# Altium PCB 全兼容主控.PCBDOC (part 4 of 9) (continued)
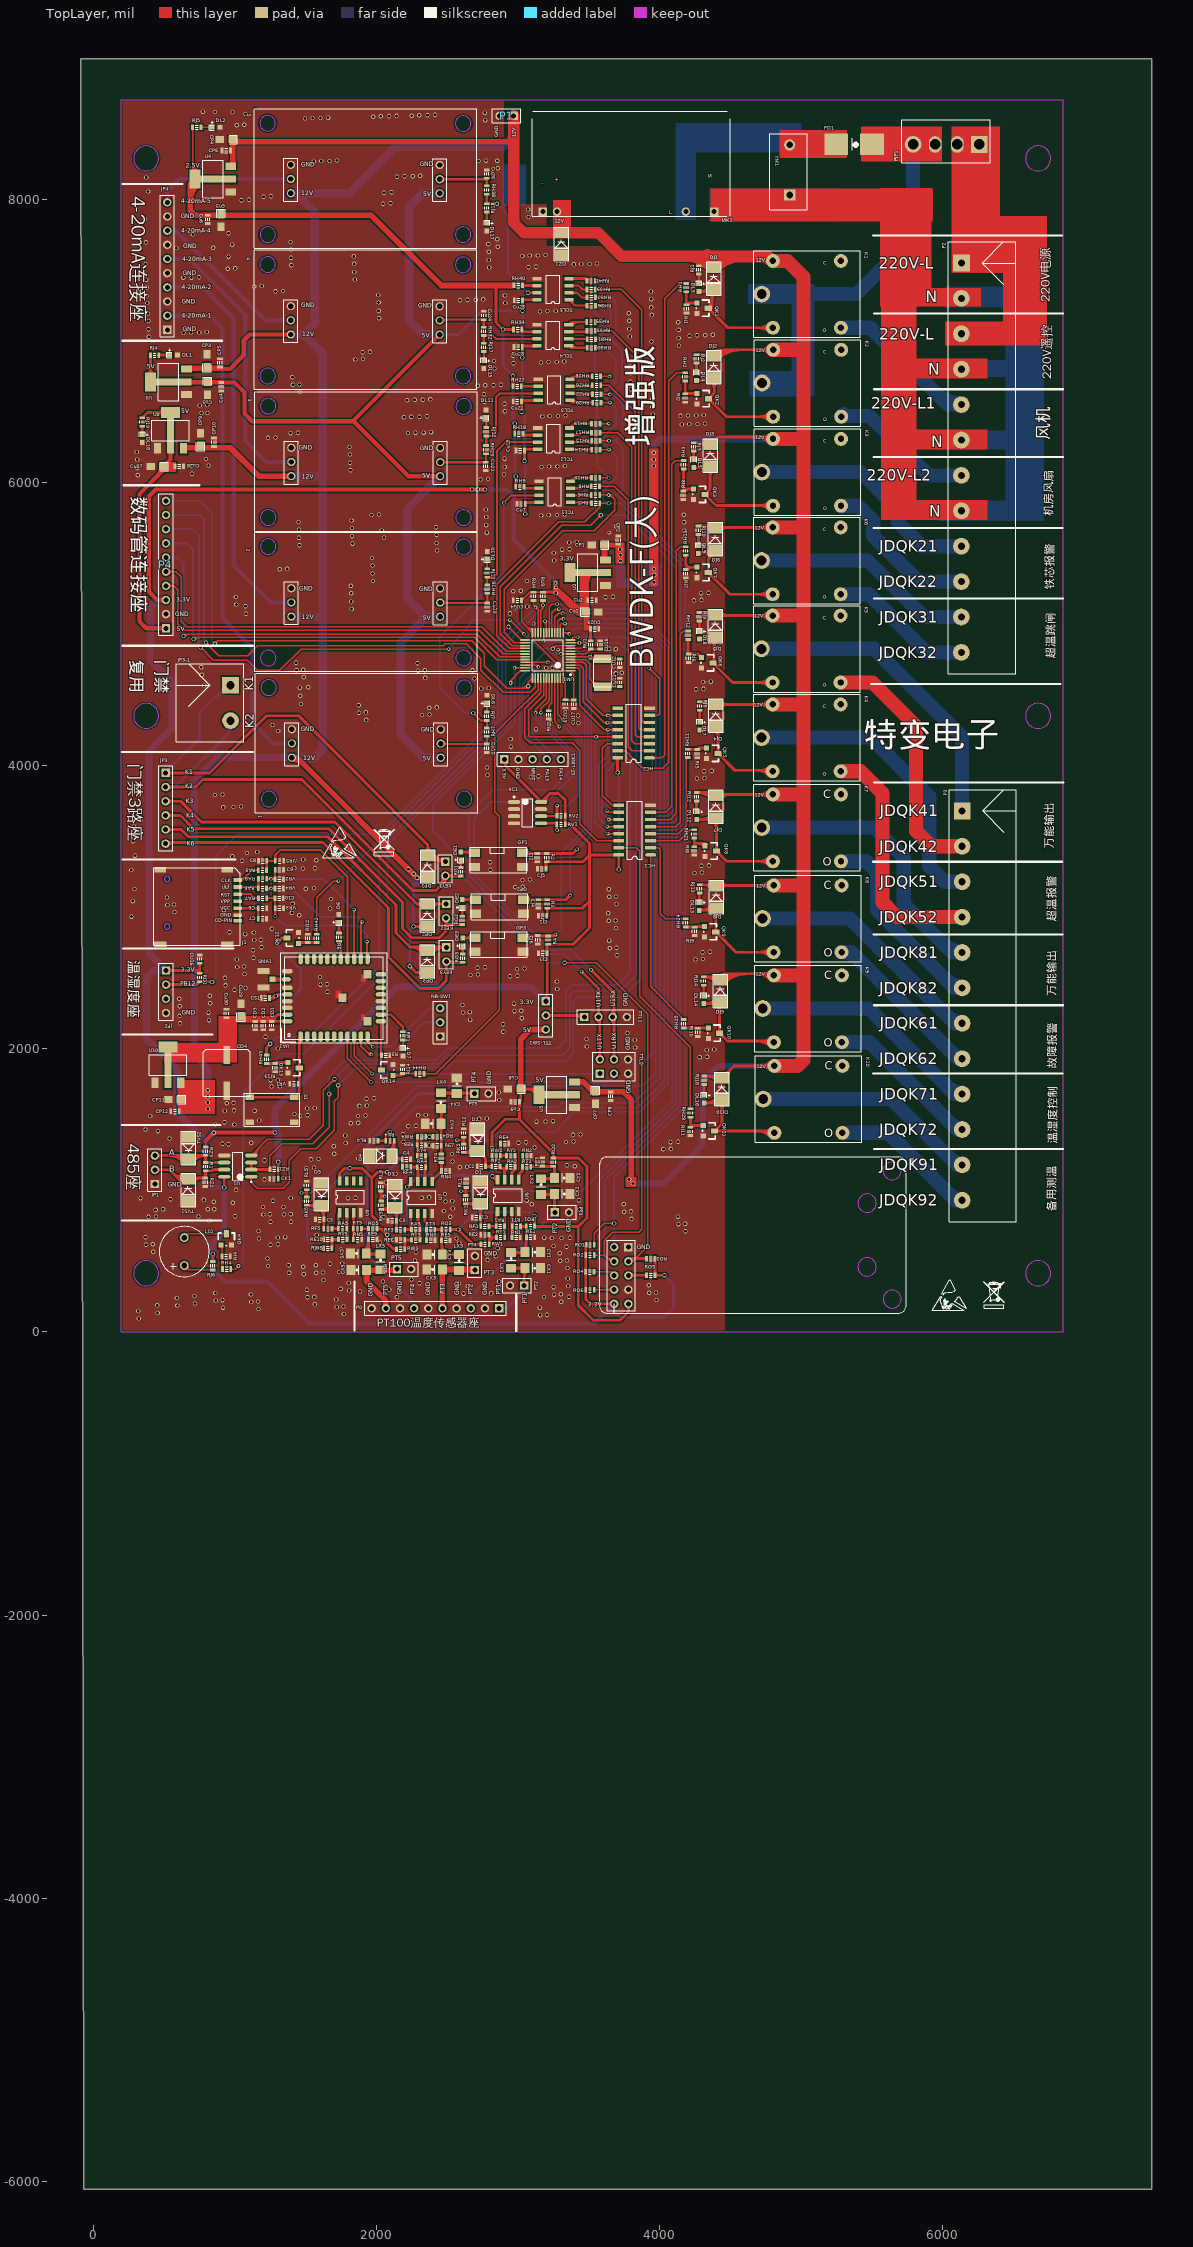
[diagram p0: TopLayer view]
## Nets (pads, with @x,y where several pads share a name; then routed paths per layer and width w, separated by ;. In a path a pad name is that pad's centre, name@x,y a point inside that pad or via, vN(x,y) a via of type N, cw(c..) or ccw(c..) an arc to the next point about the centre after c; other vN are vias at no path point) (continued)
NET-NRST: RO5.2 W1.5 | length 351
  TopLayer w20: W1.5@3779.8,398.06 3780.88,399.15 RO5.2@3908.17,399.15 ; W1.5@3793.61,384.25 cw(c3829.56,348.3) 3829.56,399.14 ; W1.5@3793.61,384.25 cw(c3829.56,348.3) 3829.56,399.14 ; W1.5@3793.61,384.25 cw(c3829.56,348.3) 3829.56,399.14 ; W1.5@3793.61,411.87 ccw(c3824.33,442.59) 3824.33,399.15 ; W1.5@3793.61,411.87 ccw(c3824.33,442.59) 3824.33,399.15 ; W1.5@3793.61,411.87 ccw(c3824.33,442.59) 3824.33,399.15
NET-SCLK: RH6.1 RH15.1 RH22.1 RH31.1 RH37.1 RO1.1 UM1.26 W1.2 | length 11951.1
  TopLayer w10: UM1.26@3050.27,4866.47 2975.26,4866.47 2902.34,4939.39 2902.34,5243.04 3317.87,5658.57 3540.14,5658.57 3684.08,5802.51 3684.08,5879.82 3653.45,5910.44 ; RO1.1@3538.73,615.4 3538.73,695.06 3609.45,765.78 v1(3680.22,765.79) ; RH37.1@3546.55,7305.96 v2(3610.08,7305.96) ; RH31.1@3547.63,7009.73 v2(3611.16,7009.73) ; RH6.1@3577.01,5910.44 3653.45,5910.44 ; RH15.1@3579.42,6293.89 v2(3642.95,6293.89) ; RH22.1@3585.78,6621.43 v2(3649.3,6621.43) ; RO1.1@3535.31,628.66 ccw(c3527.04,636.93) 3538.73,636.93 ; RO1.1@3535.31,628.66 ccw(c3527.04,636.93) 3538.73,636.93 ; RO1.1@3535.31,628.66 ccw(c3527.04,636.93) 3538.73,636.93 ; 3538.73,636.93 ccw(c3550.42,636.93) RO1.1@3542.15,628.66 ; 3538.73,636.93 ccw(c3550.42,636.93) RO1.1@3542.15,628.66 ; 3538.73,636.93 ccw(c3550.42,636.93) RO1.1@3542.15,628.66 ; RH37.1@3549.97,7302.53 cw(c3558.24,7294.27) 3558.24,7305.96 ; RH37.1@3549.97,7302.53 cw(c3558.24,7294.27) 3558.24,7305.96 ; RH37.1@3549.97,7302.53 cw(c3558.24,7294.27) 3558.24,7305.96 ; RH37.1@3549.97,7309.38 ccw(c3558.24,7317.65) 3558.24,7305.96 ; RH37.1@3549.97,7309.38 ccw(c3558.24,7317.65) 3558.24,7305.96 ; RH37.1@3549.97,7309.38 ccw(c3558.24,7317.65) 3558.24,7305.96 ; RH31.1@3551.05,7006.3 cw(c3559.32,6998.04) 3559.32,7009.73 ; RH31.1@3551.05,7006.3 cw(c3559.32,6998.04) 3559.32,7009.73 ; RH31.1@3551.05,7006.3 cw(c3559.32,6998.04) 3559.32,7009.73 ; RH31.1@3551.05,7013.15 ccw(c3559.32,7021.42) 3559.32,7009.73 ; RH31.1@3551.05,7013.15 ccw(c3559.32,7021.42) 3559.32,7009.73 ; RH31.1@3551.05,7013.15 ccw(c3559.32,7021.42) 3559.32,7009.73 ; RH6.1@3580.44,5907.02 cw(c3588.7,5898.75) 3588.7,5910.44 ; RH6.1@3580.44,5907.02 cw(c3588.7,5898.75) 3588.7,5910.44 ; RH6.1@3580.44,5907.02 cw(c3588.7,5898.75) 3588.7,5910.44 ; RH6.1@3580.44,5913.87 ccw(c3588.7,5922.13) 3588.7,5910.44 ; RH6.1@3580.44,5913.87 ccw(c3588.7,5922.13) 3588.7,5910.44 ; RH6.1@3580.44,5913.87 ccw(c3588.7,5922.13) 3588.7,5910.44 ; RH15.1@3582.84,6290.47 cw(c3591.11,6282.2) 3591.11,6293.89 ; RH15.1@3582.84,6290.47 cw(c3591.11,6282.2) 3591.11,6293.89 ; RH15.1@3582.84,6290.47 cw(c3591.11,6282.2) 3591.11,6293.89 ; RH15.1@3582.84,6297.31 ccw(c3591.11,6305.58) 3591.11,6293.89 ; RH15.1@3582.84,6297.31 ccw(c3591.11,6305.58) 3591.11,6293.89 ; RH15.1@3582.84,6297.31 ccw(c3591.11,6305.58) 3591.11,6293.89 ; RH22.1@3589.2,6618.01 cw(c3597.47,6609.74) 3597.47,6621.43 ; RH22.1@3589.2,6618.01 cw(c3597.47,6609.74) 3597.47,6621.43 ; RH22.1@3589.2,6618.01 cw(c3597.47,6609.74) 3597.47,6621.43 ; RH22.1@3589.2,6624.86 ccw(c3597.47,6633.12) 3597.47,6621.43 ; RH22.1@3589.2,6624.86 ccw(c3597.47,6633.12) 3597.47,6621.43 ; RH22.1@3589.2,6624.86 ccw(c3597.47,6633.12) 3597.47,6621.43 ; 3591.97,7305.96 cw(c3591.97,7287.85) v2@3604.78,7300.65 ; 3591.97,7305.96 ccw(c3591.97,7324.06) v2@3604.78,7311.26 ; 3591.97,7305.96 cw(c3591.97,7287.85) v2@3604.78,7300.65 ; 3591.97,7305.96 ccw(c3591.97,7324.06) v2@3604.78,7311.26 ; 3591.97,7305.96 cw(c3591.97,7287.85) v2@3604.78,7300.65 ; 3591.97,7305.96 ccw(c3591.97,7324.06) v2@3604.78,7311.26 ; 3593.05,7009.73 cw(c3593.05,6991.62) v2@3605.85,7004.42 ; 3593.05,7009.73 ccw(c3593.05,7027.83) v2@3605.85,7015.03 ; 3593.05,7009.73 cw(c3593.05,6991.62) v2@3605.85,7004.42 ; 3593.05,7009.73 ccw(c3593.05,7027.83) v2@3605.85,7015.03 ; 3593.05,7009.73 cw(c3593.05,6991.62) v2@3605.85,7004.42 ; 3593.05,7009.73 ccw(c3593.05,7027.83) v2@3605.85,7015.03 ; 3622.43,5910.44 cw(c3622.43,5892.34) v2@3635.24,5905.14 ; 3622.43,5910.44 ccw(c3622.43,5928.55) v2@3635.24,5915.75 ; 3622.43,5910.44 cw(c3622.43,5892.34) v2@3635.24,5905.14 ; 3622.43,5910.44 ccw(c3622.43,5928.55) v2@3635.24,5915.75 ; 3622.43,5910.44 cw(c3622.43,5892.34) v2@3635.24,5905.14 ; 3622.43,5910.44 ccw(c3622.43,5928.55) v2@3635.24,5915.75 ; 3624.84,6293.89 cw(c3624.84,6275.78) v2@3637.64,6288.59 ; 3624.84,6293.89 ccw(c3624.84,6312) v2@3637.64,6299.19 ; 3624.84,6293.89 cw(c3624.84,6275.78) v2@3637.64,6288.59 ; 3624.84,6293.89 ccw(c3624.84,6312) v2@3637.64,6299.19 ; 3624.84,6293.89 cw(c3624.84,6275.78) v2@3637.64,6288.59 ; 3624.84,6293.89 ccw(c3624.84,6312) v2@3637.64,6299.19 ; 3631.2,6621.43 cw(c3631.2,6603.33) v2@3644,6616.13 ; 3631.2,6621.43 ccw(c3631.2,6639.54) v2@3644,6626.74 ; 3631.2,6621.43 cw(c3631.2,6603.33) v2@3644,6616.13 ; 3631.2,6621.43 ccw(c3631.2,6639.54) v2@3644,6626.74 ; 3631.2,6621.43 cw(c3631.2,6603.33) v2@3644,6616.13 ; 3631.2,6621.43 ccw(c3631.2,6639.54) v2@3644,6626.74 ; v2@3640.54,5902.94 cw(c3640.54,5853.67) 3675.38,5888.51 ; v2@3640.54,5902.94 cw(c3640.54,5853.67) 3675.38,5888.51 ; v2@3640.54,5902.94 cw(c3640.54,5853.67) 3675.38,5888.51 ; v2@3640.54,5912.94 cw(c3640.54,5887.81) 3658.31,5905.58 ; v2@3640.54,5912.94 cw(c3640.54,5887.81) 3658.31,5905.58 ; v2@3640.54,5912.94 cw(c3640.54,5887.81) 3658.31,5905.58 ; v2@3645.33,5904.67 cw(c3652.24,5896.32) 3659.91,5903.99 ; v2@3645.33,5904.67 cw(c3652.24,5896.32) 3659.91,5903.99 ; v2@3645.33,5904.67 cw(c3652.24,5896.32) 3659.91,5903.99 ; v2@3647.06,5906.73 cw(c3653.45,5903.08) 3653.45,5910.44 ; v2@3647.06,5906.73 cw(c3653.45,5903.08) 3653.45,5910.44 ; v2@3647.06,5906.73 cw(c3653.45,5903.08) 3653.45,5910.44 ; v2@3647.06,5914.16 ccw(c3653.45,5917.81) 3653.45,5910.44 ; v2@3647.06,5914.16 ccw(c3653.45,5917.81) 3653.45,5910.44 ; v2@3647.06,5914.16 ccw(c3653.45,5917.81) 3653.45,5910.44 ; 3656.06,765.78 ccw(c3656.06,789.96) v1@3673.15,772.86 ; 3656.06,765.78 ccw(c3656.06,789.96) v1@3673.15,772.86 ; 3656.06,765.78 ccw(c3656.06,789.96) v1@3673.15,772.86 ; 3656.1,765.78 cw(c3656.1,741.67) v1@3673.15,758.72 ; 3656.1,765.78 cw(c3656.1,741.67) v1@3673.15,758.72 ; 3656.1,765.78 cw(c3656.1,741.67) v1@3673.15,758.72
  BottomLayer w10: v2(3610.08,7305.96) 3665.86,7305.96 3691.82,7280 3691.82,7045.73 3655.82,7009.73 ; v2(3611.16,7009.73) 3655.82,7009.73 ; v2(3640.54,5910.44) 3705.36,5910.44 ; v2(3642.95,6293.89) 3689.65,6293.89 ; v2(3649.3,6621.43) 3672.09,6621.43 ; W1.2@3679.8,598.06 3679.8,1093.15 4180.53,1593.88 4180.53,5435.28 3705.36,5910.44 ; v2@3615.38,7300.65 cw(c3628.19,7287.85) 3628.19,7305.96 ; v2@3615.38,7300.65 cw(c3628.19,7287.85) 3628.19,7305.96 ; v2@3615.38,7300.65 cw(c3628.19,7287.85) 3628.19,7305.96 ; v2@3615.38,7311.26 ccw(c3628.19,7324.06) 3628.19,7305.96 ; v2@3615.38,7311.26 ccw(c3628.19,7324.06) 3628.19,7305.96 ; v2@3615.38,7311.26 ccw(c3628.19,7324.06) 3628.19,7305.96 ; v2@3616.46,7004.42 cw(c3629.26,6991.62) 3629.26,7009.73 ; v2@3616.46,7004.42 cw(c3629.26,6991.62) 3629.26,7009.73 ; v2@3616.46,7004.42 cw(c3629.26,6991.62) 3629.26,7009.73 ; v2@3616.46,7015.03 ccw(c3629.26,7027.83) 3629.26,7009.73 ; v2@3616.46,7015.03 ccw(c3629.26,7027.83) 3629.26,7009.73 ; v2@3616.46,7015.03 ccw(c3629.26,7027.83) 3629.26,7009.73 ; v2@3645.84,5905.14 cw(c3658.65,5892.34) 3658.65,5910.44 ; v2@3645.84,5905.14 cw(c3658.65,5892.34) 3658.65,5910.44 ; v2@3645.84,5905.14 cw(c3658.65,5892.34) 3658.65,5910.44 ; v2@3645.84,5915.75 ccw(c3658.65,5928.55) 3658.65,5910.44 ; v2@3645.84,5915.75 ccw(c3658.65,5928.55) 3658.65,5910.44 ; v2@3645.84,5915.75 ccw(c3658.65,5928.55) 3658.65,5910.44 ; v2@3648.25,6288.59 cw(c3661.05,6275.78) 3661.05,6293.89 ; v2@3648.25,6288.59 cw(c3661.05,6275.78) 3661.05,6293.89 ; v2@3648.25,6288.59 cw(c3661.05,6275.78) 3661.05,6293.89 ; v2@3648.25,6299.19 ccw(c3661.05,6312) 3661.05,6293.89 ; v2@3648.25,6299.19 ccw(c3661.05,6312) 3661.05,6293.89 ; v2@3648.25,6299.19 ccw(c3661.05,6312) 3661.05,6293.89 ; v2@3654.61,6616.13 cw(c3667.41,6603.33) 3667.41,6621.43 ; v2@3654.61,6616.13 cw(c3667.41,6603.33) 3667.41,6621.43 ; v2@3654.61,6616.13 cw(c3667.41,6603.33) 3667.41,6621.43 ; v2@3654.61,6626.74 ccw(c3667.41,6639.54) 3667.41,6621.43 ; v2@3654.61,6626.74 ccw(c3667.41,6639.54) 3667.41,6621.43 ; v2@3654.61,6626.74 ccw(c3667.41,6639.54) 3667.41,6621.43 ; 3655.82,7009.73 3736.87,6928.67 3736.87,6686.22 3672.09,6621.43 ; W1.2@3662.46,615.41 ccw(c3620.59,657.28) 3679.8,657.28 ; W1.2@3662.46,615.41 ccw(c3620.59,657.28) 3679.8,657.28 ; W1.2@3662.46,615.41 ccw(c3620.59,657.28) 3679.8,657.28 ; W1.2@3669.53,608.33 ccw(c3644.73,633.13) 3679.8,633.13 ; W1.2@3669.53,608.33 ccw(c3644.73,633.13) 3679.8,633.13 ; W1.2@3669.53,608.33 ccw(c3644.73,633.13) 3679.8,633.13 ; 3672.09,6621.43 3738.68,6554.85 3738.68,6342.92 3689.65,6293.89 ; v1@3673.15,758.72 cw(c3657.09,742.66) 3679.8,742.66 ; v1@3673.15,758.72 cw(c3657.09,742.66) 3679.8,742.66 ; v1@3673.15,758.72 cw(c3657.09,742.66) 3679.8,742.66 ; v1@3673.15,772.86 ccw(c3657.09,788.92) 3679.8,788.92 ; v1@3673.15,772.86 ccw(c3657.09,788.92) 3679.8,788.92 ; v1@3673.15,772.86 ccw(c3657.09,788.92) 3679.8,788.92 ; 3679.8,633.13 ccw(c3714.87,633.13) W1.2@3690.07,608.33 ; 3679.8,633.13 ccw(c3714.87,633.13) W1.2@3690.07,608.33 ; 3679.8,633.13 ccw(c3714.87,633.13) W1.2@3690.07,608.33 ; 3679.8,657.28 ccw(c3739.02,657.28) W1.2@3697.14,615.41 ; 3679.8,657.28 ccw(c3739.02,657.28) W1.2@3697.14,615.41 ; 3679.8,657.28 ccw(c3739.02,657.28) W1.2@3697.14,615.41 ; 3679.8,740.64 cw(c3705.37,740.64) v1@3687.29,758.72 ; 3679.8,740.64 cw(c3705.37,740.64) v1@3687.29,758.72 ; 3679.8,740.64 cw(c3705.37,740.64) v1@3687.29,758.72 ; 3679.8,790.95 ccw(c3705.37,790.95) v1@3687.29,772.86 ; 3679.8,790.95 ccw(c3705.37,790.95) v1@3687.29,772.86 ; 3679.8,790.95 ccw(c3705.37,790.95) v1@3687.29,772.86 ; 3689.65,6293.89 3738.68,6244.86 3738.68,5943.76 3705.36,5910.44
NET-SCS: HC2.7 RO2.1 W1.4 | length 5876.9
  TopLayer w10: RO2.1@3538.12,542.72 3607.61,542.72 3608.31,543.42 ; W1.4@3679.8,498.06 3653.66,498.06 3608.31,543.42 ; v2(3874.16,1892.53) 3874.16,726.13 3851.26,703.23 3668.48,703.23 3650.06,684.81 3608.31,643.05 3608.31,543.42 ; v2(3926.56,4686.37) 4001.25,4611.68 4001.25,4366.43 3988.3,4353.48 HC2.7@3928.94,4353.48 ; RO2.1@3541.54,539.3 cw(c3549.81,531.03) 3549.81,542.72 ; RO2.1@3541.54,539.3 cw(c3549.81,531.03) 3549.81,542.72 ; RO2.1@3541.54,539.3 cw(c3549.81,531.03) 3549.81,542.72 ; RO2.1@3541.54,546.15 ccw(c3549.81,554.41) 3549.81,542.72 ; RO2.1@3541.54,546.15 ccw(c3549.81,554.41) 3549.81,542.72 ; RO2.1@3541.54,546.15 ccw(c3549.81,554.41) 3549.81,542.72 ; 3621.38,530.35 ccw(c3653.06,562.03) W1.4@3670.34,520.69 ; 3621.38,530.35 ccw(c3653.06,562.03) W1.4@3670.34,520.69 ; 3621.38,530.35 ccw(c3653.06,562.03) W1.4@3670.34,520.69 ; 3631.92,519.8 ccw(c3659.28,547.15) W1.4@3674.2,511.47 ; 3631.92,519.8 ccw(c3659.28,547.15) W1.4@3674.2,511.47 ; 3631.92,519.8 ccw(c3659.28,547.15) W1.4@3674.2,511.47 ; 3642.47,509.26 ccw(c3665.49,532.28) W1.4@3678.05,502.24 ; 3642.47,509.26 ccw(c3665.49,532.28) W1.4@3678.05,502.24 ; 3642.47,509.26 ccw(c3665.49,532.28) W1.4@3678.05,502.24 ; v2@3868.86,1887.23 cw(c3856.06,1874.43) 3874.16,1874.43 ; v2@3868.86,1887.23 cw(c3856.06,1874.43) 3874.16,1874.43 ; v2@3868.86,1887.23 cw(c3856.06,1874.43) 3874.16,1874.43 ; 3874.16,1874.43 cw(c3892.27,1874.43) v2@3879.47,1887.23 ; 3874.16,1874.43 cw(c3892.27,1874.43) v2@3879.47,1887.23 ; 3874.16,1874.43 cw(c3892.27,1874.43) v2@3879.47,1887.23 ; v2@3926.56,4678.87 cw(c3926.56,4660.77) 3939.36,4673.57 ; v2@3926.56,4678.87 cw(c3926.56,4660.77) 3939.36,4673.57 ; v2@3926.56,4678.87 cw(c3926.56,4660.77) 3939.36,4673.57 ; v2@3934.06,4686.37 ccw(c3952.16,4686.37) 3939.36,4673.57 ; v2@3934.06,4686.37 ccw(c3952.16,4686.37) 3939.36,4673.57 ; v2@3934.06,4686.37 ccw(c3952.16,4686.37) 3939.36,4673.57 ; HC2.7@3959.89,4348.53 cw(c3971.84,4336.58) 3971.84,4353.48 ; HC2.7@3959.89,4348.53 cw(c3971.84,4336.58) 3971.84,4353.48 ; HC2.7@3959.89,4348.53 cw(c3971.84,4336.58) 3971.84,4353.48 ; HC2.7@3959.89,4358.43 ccw(c3971.84,4370.38) 3971.84,4353.48 ; HC2.7@3959.89,4358.43 ccw(c3971.84,4370.38) 3971.84,4353.48 ; HC2.7@3959.89,4358.43 ccw(c3971.84,4370.38) 3971.84,4353.48
  BottomLayer w10: v2(3874.16,1892.53) 3948.8,1967.17 3948.8,4664.13 v2(3926.56,4686.37) ; v2@3874.16,1900.03 ccw(c3874.16,1918.14) 3886.97,1905.34 ; v2@3874.16,1900.03 ccw(c3874.16,1918.14) 3886.97,1905.34 ; v2@3874.16,1900.03 ccw(c3874.16,1918.14) 3886.97,1905.34 ; v2@3881.66,1892.53 cw(c3899.77,1892.53) 3886.97,1905.34 ; v2@3881.66,1892.53 cw(c3899.77,1892.53) 3886.97,1905.34 ; v2@3881.66,1892.53 cw(c3899.77,1892.53) 3886.97,1905.34 ; v2@3926.56,4678.87 cw(c3926.56,4660.77) 3939.36,4673.57 ; v2@3926.56,4678.87 cw(c3926.56,4660.77) 3939.36,4673.57 ; v2@3926.56,4678.87 cw(c3926.56,4660.77) 3939.36,4673.57 ; v2@3934.06,4686.37 ccw(c3952.16,4686.37) 3939.36,4673.57 ; v2@3934.06,4686.37 ccw(c3952.16,4686.37) 3939.36,4673.57 ; v2@3934.06,4686.37 ccw(c3952.16,4686.37) 3939.36,4673.57
NET_LED/GPIO_33: RR1.2 UA1.13 | length 319.4
  TopLayer w15: UA1.13@2032,2241.14 2100.27,2241.14 2188.12,2153.28 RR1.2@2188.12,2120.2 ; UA1.13@2059.49,2235.3 cw(c2073.57,2221.22) 2073.57,2241.14 ; UA1.13@2059.49,2235.3 cw(c2073.57,2221.22) 2073.57,2241.14 ; UA1.13@2059.49,2235.3 cw(c2073.57,2221.22) 2073.57,2241.14 ; UA1.13@2059.49,2246.97 ccw(c2073.57,2261.05) 2073.57,2241.14 ; UA1.13@2059.49,2246.97 ccw(c2073.57,2261.05) 2073.57,2241.14 ; UA1.13@2059.49,2246.97 ccw(c2073.57,2261.05) 2073.57,2241.14
NetC1_2: C1.2 D1.2 RF1.2 RK1.2 | length 938.8
  TopLayer w20: RK1.2@2631.88,903.77 2730.51,903.77 D1.2@2733.94,907.2 ; RF1.2@2736.88,746.56 2736.88,906.97 D1.2@2741.54,911.63 ; RK1.2@2644.91,903.77 ccw(c2644.91,986.39) D1.2@2703.33,927.97 ; RK1.2@2644.91,903.77 ccw(c2644.91,986.39) D1.2@2703.33,927.97 ; RK1.2@2644.91,903.77 ccw(c2644.91,986.39) D1.2@2703.33,927.97 ; 2661.48,903.77 cw(c2661.48,844.58) D1.2@2703.33,886.43 ; 2661.48,903.77 cw(c2661.48,844.58) D1.2@2703.33,886.43 ; 2661.48,903.77 cw(c2661.48,844.58) D1.2@2703.33,886.43 ; D1.2@2713.17,886.43 cw(c2655.94,829.2) 2736.88,829.2 ; D1.2@2713.17,886.43 cw(c2655.94,829.2) 2736.88,829.2 ; D1.2@2713.17,886.43 cw(c2655.94,829.2) 2736.88,829.2 ; 2736.88,843.39 cw(c2797.75,843.39) D1.2@2754.71,886.43 ; 2736.88,843.39 cw(c2797.75,843.39) D1.2@2754.71,886.43 ; 2736.88,843.39 cw(c2797.75,843.39) D1.2@2754.71,886.43
NetC2_2: C2.2 D2.2 RF2.2 RK2.2 | length 958.7
  TopLayer w20: RF2.2@2814.05,1168.97 2771.27,1168.97 C2.2@2770.82,1168.51 2770.82,1224.76 D2.2@2715.21,1280.37 2702.57,1267.73 RK2.2@2617.2,1267.73 ; RK2.2@2617.2,1267.73 ccw(c2617.21,1351.87) D2.2@2682.56,1298.87 ; RK2.2@2617.2,1267.73 ccw(c2617.21,1351.87) D2.2@2682.56,1298.87 ; RK2.2@2617.2,1267.73 ccw(c2617.21,1351.87) D2.2@2682.56,1298.87 ; 2659.18,1267.73 ccw(c2659.18,1317.83) D2.2@2698.09,1286.27 ; 2659.18,1267.73 ccw(c2659.18,1317.83) D2.2@2698.09,1286.27 ; 2659.18,1267.73 ccw(c2659.18,1317.83) D2.2@2698.09,1286.27 ; 2664.98,1267.73 cw(c2664.98,1239.98) D2.2@2684.6,1259.6 ; 2664.98,1267.73 cw(c2664.98,1239.98) D2.2@2684.6,1259.6 ; 2664.98,1267.73 cw(c2664.98,1239.98) D2.2@2684.6,1259.6 ; D2.2@2725.05,1251 cw(c2725.05,1203.85) 2758.39,1237.19 ; D2.2@2725.05,1251 cw(c2725.05,1203.85) 2758.39,1237.19 ; D2.2@2725.05,1251 cw(c2725.05,1203.85) 2758.39,1237.19 ; D2.2@2753.6,1273.45 ccw(c2798.74,1262.52) 2765.9,1229.68 ; D2.2@2753.6,1273.45 ccw(c2798.74,1262.52) 2765.9,1229.68 ; D2.2@2753.6,1273.45 ccw(c2798.74,1262.52) 2765.9,1229.68
NetC3_2: C3.2 D3.2 RF3.2 RK3.2 | length 969.5
  TopLayer w20: D3.2@2131.26,879.27 D3.2@2141.18,869.35 ; RF3.2@2141.18,722.54 D3.2@2141.18,869.35 ; RK3.2@2033.36,864.8 ccw(c2033.36,945.79) D3.2@2097.98,896.97 ; RK3.2@2033.36,864.8 ccw(c2033.36,945.79) D3.2@2097.98,896.97 ; RK3.2@2033.36,864.8 ccw(c2033.36,945.79) D3.2@2097.98,896.97 ; RK3.2@2033.36,864.8 2136.63,864.8 D3.2@2141.18,869.35 ; 2073.53,864.8 ccw(c2073.53,915.44) D3.2@2113.94,884.92 ; 2073.53,864.8 ccw(c2073.53,915.44) D3.2@2113.94,884.92 ; 2073.53,864.8 ccw(c2073.53,915.44) D3.2@2113.94,884.92 ; D3.2@2120.33,858.5 cw(c2070.01,808.18) 2141.18,808.18 ; D3.2@2120.33,858.5 cw(c2070.01,808.18) 2141.18,808.18 ; D3.2@2120.33,858.5 cw(c2070.01,808.18) 2141.18,808.18 ; 2141.18,808.55 cw(c2211.82,808.55) D3.2@2161.87,858.5 ; 2141.18,808.55 cw(c2211.82,808.55) D3.2@2161.87,858.5 ; 2141.18,808.55 cw(c2211.82,808.55) D3.2@2161.87,858.5
NetC4_2: C4.2 D4.2 RF4.2 RK4.2 | length 1009.6
  TopLayer w20: D4.2@2109.92,1232.29 2125.69,1248.06 RK4.2@2125.69,1350.04 ; D4.2@2111.51,1219.35 C4.2@2182.46,1219.35 ; RF4.2@2184.08,1164.43 2184.08,1217.73 C4.2@2182.46,1219.35 ; D4.2@2090.6,1275.81 ccw(c2029.64,1350.03) RK4.2@2125.69,1350.04 ; D4.2@2090.6,1275.81 ccw(c2029.64,1350.03) RK4.2@2125.69,1350.04 ; D4.2@2090.6,1275.81 ccw(c2029.64,1350.03) RK4.2@2125.69,1350.04 ; D4.2@2103.3,1260.36 ccw(c2064.39,1307.72) 2125.69,1307.72 ; D4.2@2103.3,1260.36 ccw(c2064.39,1307.72) 2125.69,1307.72 ; D4.2@2103.3,1260.36 ccw(c2064.39,1307.72) 2125.69,1307.72 ; D4.2@2117.47,1237.92 ccw(c2148.76,1254.99) 2148.76,1219.35 ; D4.2@2117.47,1237.92 ccw(c2148.76,1254.99) 2148.76,1219.35 ; D4.2@2117.47,1237.92 ccw(c2148.76,1254.99) 2148.76,1219.35 ; D4.2@2130.01,1212.66 cw(c2146.14,1196.53) D4.2@2146.14,1219.35 ; D4.2@2130.01,1212.66 cw(c2146.14,1196.53) D4.2@2146.14,1219.35 ; D4.2@2130.01,1212.66 cw(c2146.14,1196.53) D4.2@2146.14,1219.35 ; D4.2@2135.03,1247.5 ccw(c2182.45,1273.37) C4.2@2182.46,1219.35 ; D4.2@2135.03,1247.5 ccw(c2182.45,1273.37) C4.2@2182.46,1219.35 ; D4.2@2135.03,1247.5 ccw(c2182.45,1273.37) C4.2@2182.46,1219.35
NetC5_2: C5.2 D5.2 RF5.2 RK5.2 | length 976.1
  TopLayer w20: RK5.2@1507.7,893.93 1617.17,893.93 D5.2@1628.41,882.69 ; D5.2@1621.14,908.12 1628.41,900.84 RF5.2@1628.41,728.65 ; 1529.31,893.93 cw(c1529.31,820.05) D5.2@1581.56,872.29 ; 1529.31,893.93 cw(c1529.31,820.05) D5.2@1581.56,872.29 ; 1529.31,893.93 cw(c1529.31,820.05) D5.2@1581.56,872.29 ; 1533.53,893.93 ccw(c1533.53,961.86) D5.2@1581.56,913.83 ; 1533.53,893.93 ccw(c1533.53,961.86) D5.2@1581.56,913.83 ; 1533.53,893.93 ccw(c1533.53,961.86) D5.2@1581.56,913.83 ; D5.2@1601.24,872.29 cw(c1535.65,806.7) C5.2@1628.41,806.7 ; D5.2@1601.24,872.29 cw(c1535.65,806.7) C5.2@1628.41,806.7 ; D5.2@1601.24,872.29 cw(c1535.65,806.7) C5.2@1628.41,806.7 ; 1628.41,837.61 cw(c1677.46,837.61) D5.2@1642.78,872.29 ; 1628.41,837.61 cw(c1677.46,837.61) D5.2@1642.78,872.29 ; 1628.41,837.61 cw(c1677.46,837.61) D5.2@1642.78,872.29
NetCU11_1: CU11.1 UM1.5 X1.1 | length 1431.8
  TopLayer w10: UM1.5@3371.14,4748.36 3478.27,4748.36 3507.6,4719.03 3507.6,4612.03 3562.53,4557.1 CU11.1@3717.29,4557.1 ; 3519.04,4600.59 ccw(c3565,4646.55) X1.1@3565,4581.56 ; 3519.04,4600.59 ccw(c3565,4646.55) X1.1@3565,4581.56 ; 3519.04,4600.59 ccw(c3565,4646.55) X1.1@3565,4581.56 ; 3524.82,4594.82 cw(c3487.03,4557.03) X1.1@3540.47,4557.03 ; 3524.82,4594.82 cw(c3487.03,4557.03) X1.1@3540.47,4557.03 ; 3524.82,4594.82 cw(c3487.03,4557.03) X1.1@3540.47,4557.03 ; X1.1@3536.11,4583.52 ccw(c3565,4612.41) X1.1@3565,4571.56 ; X1.1@3536.11,4583.52 ccw(c3565,4612.41) X1.1@3565,4571.56 ; X1.1@3536.11,4583.52 ccw(c3565,4612.41) X1.1@3565,4571.56 ; X1.1@3541.89,4577.75 cw(c3521.18,4557.03) X1.1@3550.47,4557.03 ; X1.1@3541.89,4577.75 cw(c3521.18,4557.03) X1.1@3550.47,4557.03 ; X1.1@3541.89,4577.75 cw(c3521.18,4557.03) X1.1@3550.47,4557.03 ; X1.1@3642.2,4546.76 cw(c3667.17,4521.79) 3667.17,4557.1 ; X1.1@3642.2,4546.76 cw(c3667.17,4521.79) 3667.17,4557.1 ; X1.1@3642.2,4546.76 cw(c3667.17,4521.79) 3667.17,4557.1 ; X1.1@3642.2,4567.3 ccw(c3666.83,4591.94) 3666.83,4557.1 ; X1.1@3642.2,4567.3 ccw(c3666.83,4591.94) 3666.83,4557.1 ; X1.1@3642.2,4567.3 ccw(c3666.83,4591.94) 3666.83,4557.1 ; X1.1@3649.27,4539.69 cw(c3691.31,4497.65) 3691.31,4557.1 ; X1.1@3649.27,4539.69 cw(c3691.31,4497.65) 3691.31,4557.1 ; X1.1@3649.27,4539.69 cw(c3691.31,4497.65) 3691.31,4557.1 ; X1.1@3649.27,4574.37 ccw(c3690.97,4616.08) 3690.97,4557.1 ; X1.1@3649.27,4574.37 ccw(c3690.97,4616.08) 3690.97,4557.1 ; X1.1@3649.27,4574.37 ccw(c3690.97,4616.08) 3690.97,4557.1 ; 3695.76,4557.1 cw(c3695.76,4545.41) CU11.1@3704.02,4553.68 ; 3695.76,4557.1 ccw(c3695.76,4568.79) CU11.1@3704.02,4560.52 ; 3695.76,4557.1 cw(c3695.76,4545.41) CU11.1@3704.02,4553.68 ; 3695.76,4557.1 ccw(c3695.76,4568.79) CU11.1@3704.02,4560.52 ; 3695.76,4557.1 cw(c3695.76,4545.41) CU11.1@3704.02,4553.68 ; 3695.76,4557.1 ccw(c3695.76,4568.79) CU11.1@3704.02,4560.52
NetCU12_1: CU12.1 UM1.6 X1.2 | length 989.2
  TopLayer w10: UM1.6@3371.14,4768.04 3611.09,4768.04 3627.98,4751.15 CU12.1@3718.06,4751.15 ; 3471.59,4768.04 cw(c3471.59,4660.48) X1.2@3547.65,4736.54 ; 3495.73,4768.04 cw(c3495.73,4684.62) X1.2@3554.73,4743.61 ; 3519.88,4768.04 cw(c3519.88,4708.76) X1.2@3561.8,4750.68 ; X1.2@3642.2,4764.15 ccw(c3673.59,4795.54) 3673.59,4751.15 ; X1.2@3642.2,4764.15 ccw(c3673.59,4795.54) 3673.59,4751.15 ; X1.2@3642.2,4764.15 ccw(c3673.59,4795.54) 3673.59,4751.15 ; X1.2@3649.27,4736.54 cw(c3684.55,4701.25) 3684.55,4751.15 ; X1.2@3649.27,4736.54 cw(c3684.55,4701.25) 3684.55,4751.15 ; X1.2@3649.27,4736.54 cw(c3684.55,4701.25) 3684.55,4751.15 ; X1.2@3649.27,4771.22 ccw(c3697.73,4819.68) 3697.73,4751.15 ; X1.2@3649.27,4771.22 ccw(c3697.73,4819.68) 3697.73,4751.15 ; X1.2@3649.27,4771.22 ccw(c3697.73,4819.68) 3697.73,4751.15 ; 3696.53,4751.15 cw(c3696.53,4739.46) CU12.1@3704.79,4747.73 ; 3696.53,4751.15 ccw(c3696.53,4762.84) CU12.1@3704.79,4754.58 ; 3696.53,4751.15 cw(c3696.53,4739.46) CU12.1@3704.79,4747.73 ; 3696.53,4751.15 ccw(c3696.53,4762.84) CU12.1@3704.79,4754.58 ; 3696.53,4751.15 cw(c3696.53,4739.46) CU12.1@3704.79,4747.73 ; 3696.53,4751.15 ccw(c3696.53,4762.84) CU12.1@3704.79,4754.58
NetCY1_2: CY1.2 LX1.1 RE1.2 RQ1.1 RT1.2 | length 1058.6
  TopLayer w20: LX1.1@2951.7,559.18 3046.46,559.18 3058.37,571.08 RQ1.1@3058.37,744.4 3018.82,744.4 RT1.2@3018.46,744.03 ; LX1.1@2970.84,543.98 cw(c3007.54,507.28) 3007.54,559.18 ; LX1.1@2970.84,543.98 cw(c3007.54,507.28) 3007.54,559.18 ; LX1.1@2970.84,543.98 cw(c3007.54,507.28) 3007.54,559.18 ; LX1.1@2970.84,574.38 ccw(c3007.54,611.07) 3007.54,559.18 ; LX1.1@2970.84,574.38 ccw(c3007.54,611.07) 3007.54,559.18 ; LX1.1@2970.84,574.38 ccw(c3007.54,611.07) 3007.54,559.18 ; 2997.87,559.18 cw(c2997.87,506.65) CY1.2@3035.01,543.79 ; 2997.87,559.18 cw(c2997.87,506.65) CY1.2@3035.01,543.79 ; 2997.87,559.18 cw(c2997.87,506.65) CY1.2@3035.01,543.79 ; 2998.76,559.18 ccw(c2998.76,610.44) CY1.2@3035.01,574.19 ; 2998.76,559.18 ccw(c2998.76,610.44) CY1.2@3035.01,574.19 ; 2998.76,559.18 ccw(c2998.76,610.44) CY1.2@3035.01,574.19 ; CY1.2@3035.01,582.06 ccw(c2978.63,638.45) 3058.37,638.45 ; CY1.2@3035.01,582.06 ccw(c2978.63,638.45) 3058.37,638.45 ; CY1.2@3035.01,582.06 ccw(c2978.63,638.45) 3058.37,638.45 ; 3058.37,599.07 ccw(c3082.42,599.07) CY1.2@3065.41,582.06 ; 3058.37,599.07 ccw(c3082.42,599.07) CY1.2@3065.41,582.06 ; 3058.37,599.07 ccw(c3082.42,599.07) CY1.2@3065.41,582.06